# KiCad board PANEL_DRY_ELEC_6CH_THIN.kicad_pcb (continued)
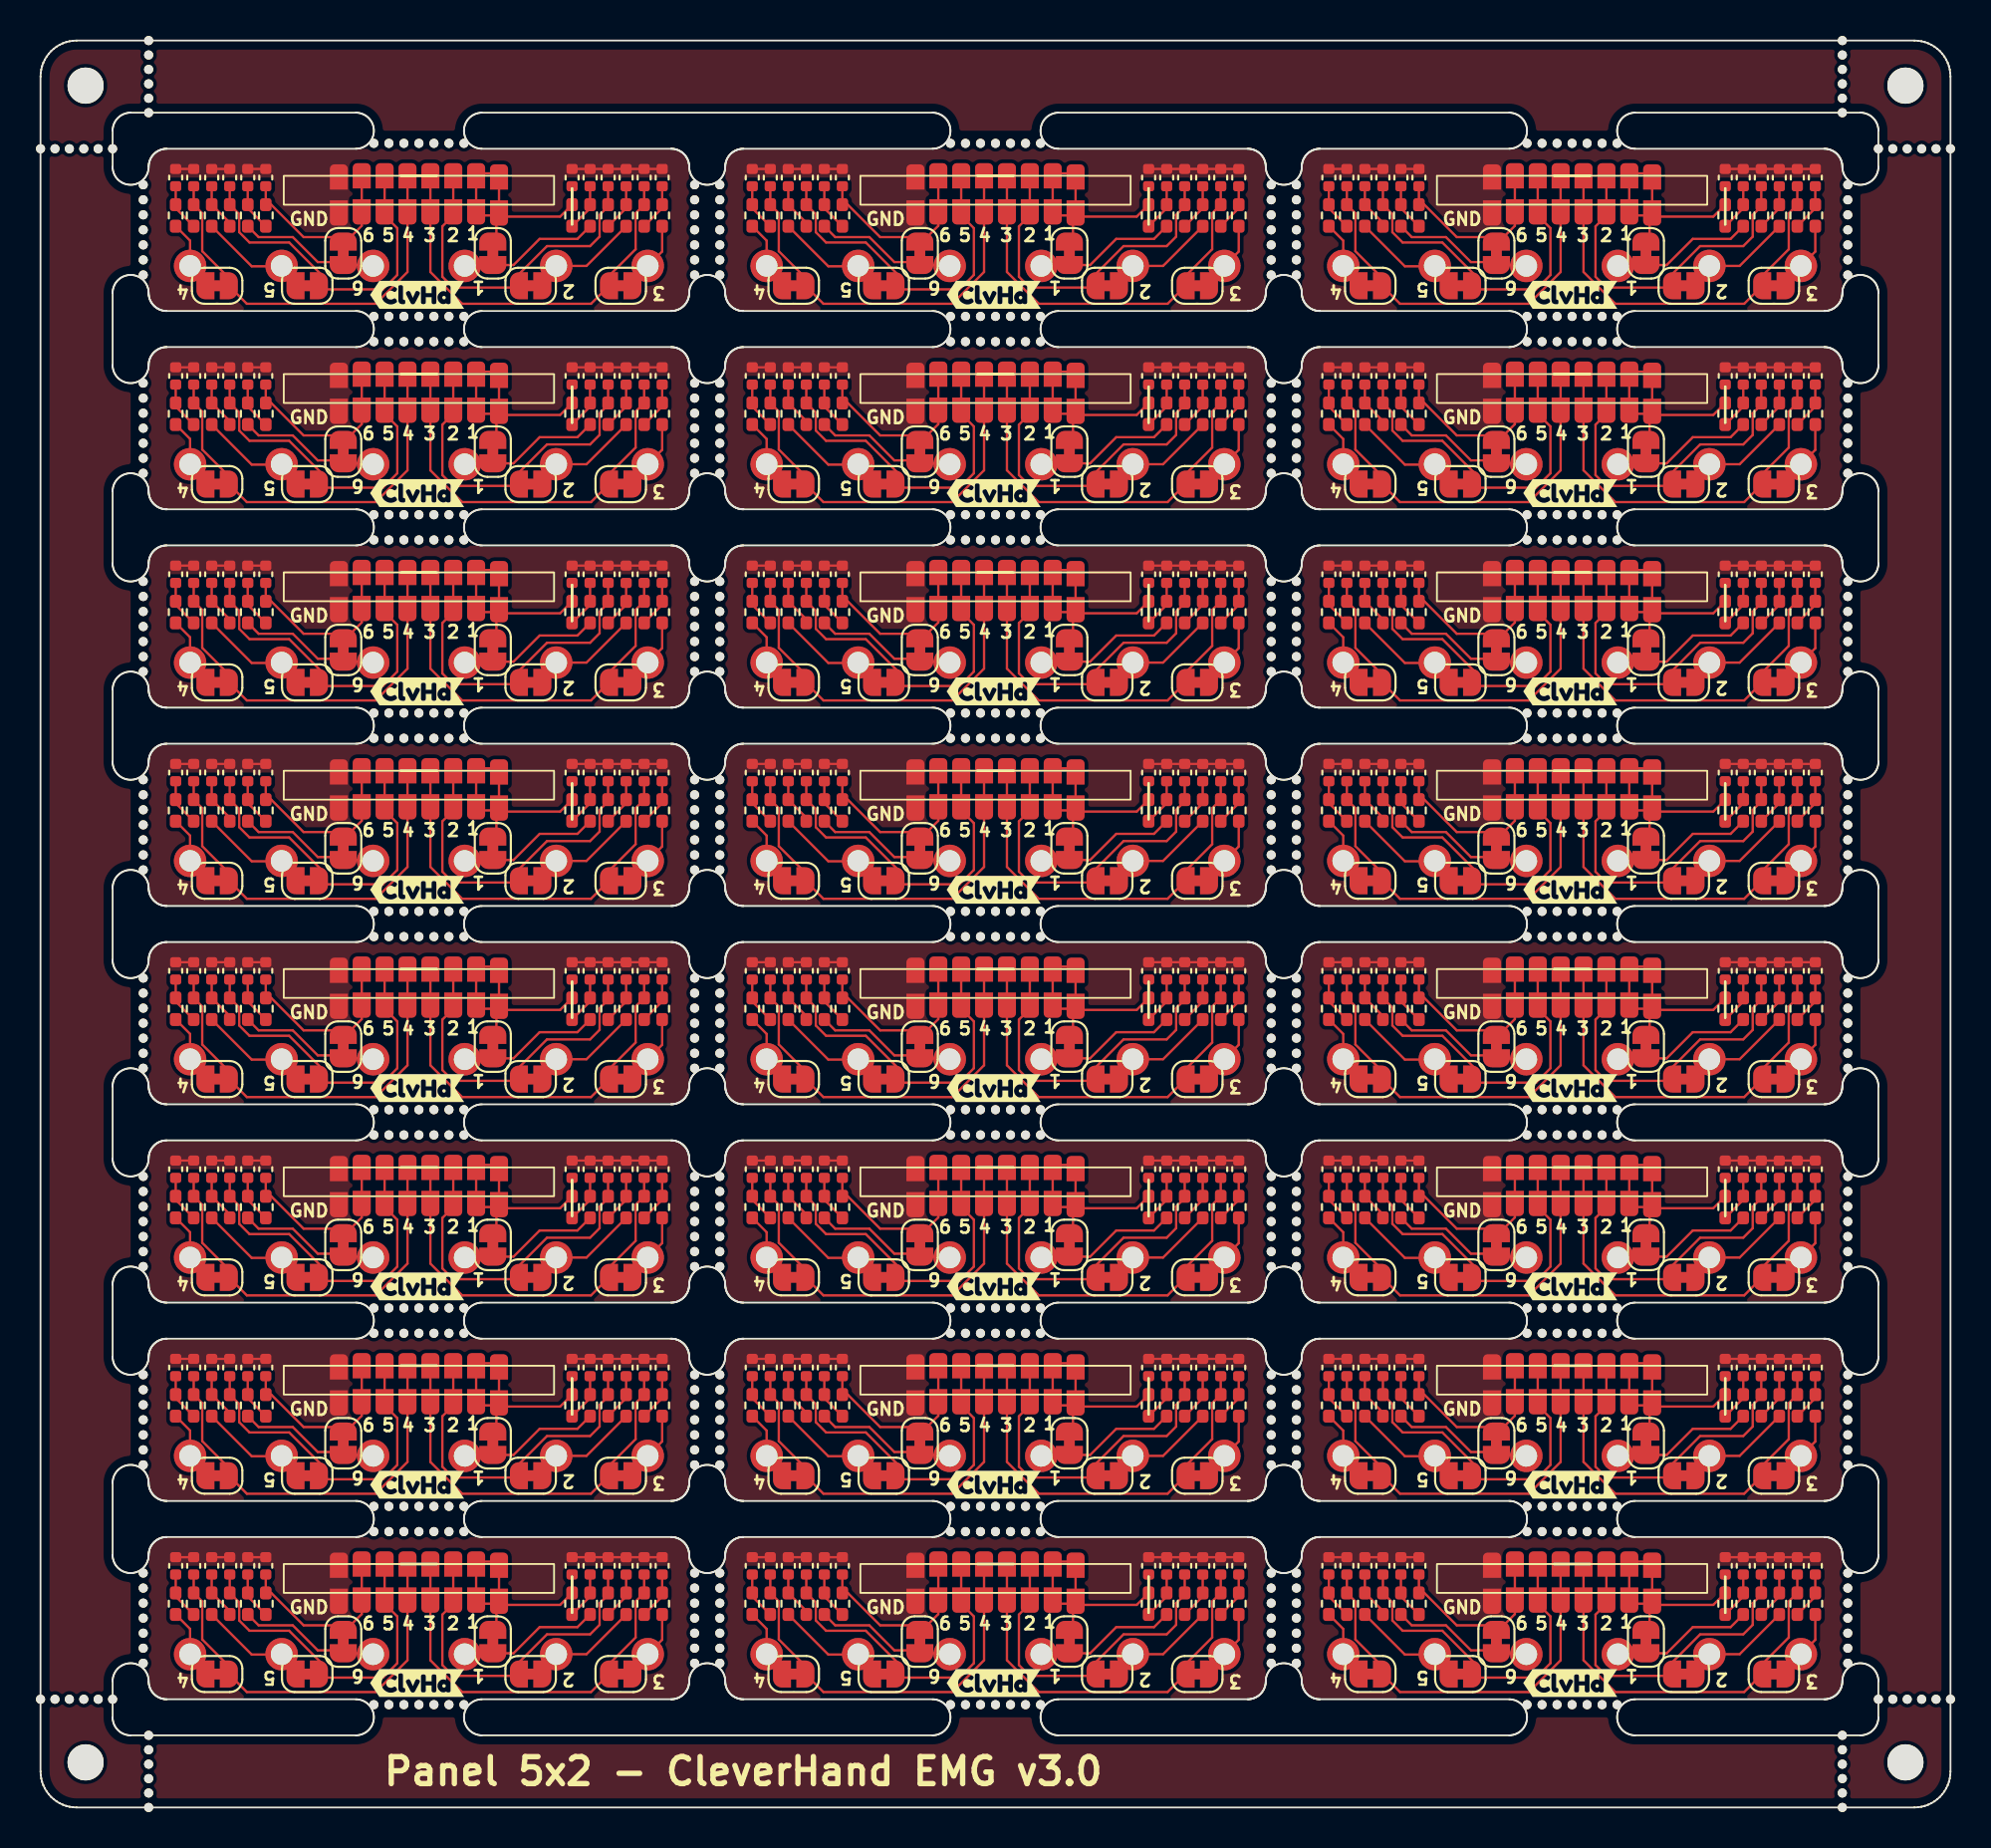
[diagram p0: board, top side]
## Placement (name value [footprint] x y rotation side) (continued)
KiKit_MB_27_7  -  [NPTH]  23.5 70.3 0 top
KiKit_MB_28_1  -  [NPTH]  23.5 60.7 0 top
KiKit_MB_28_2  -  [NPTH]  22.67 60.7 0 top
KiKit_MB_28_3  -  [NPTH]  21.83 60.7 0 top
KiKit_MB_28_4  -  [NPTH]  21 60.7 0 top
KiKit_MB_28_5  -  [NPTH]  20.17 60.7 0 top
KiKit_MB_28_6  -  [NPTH]  19.33 60.7 0 top
KiKit_MB_28_7  -  [NPTH]  18.5 60.7 0 top
KiKit_MB_29_1  -  [NPTH]  37.7 63 0 top
KiKit_MB_29_2  -  [NPTH]  37.7 63.83 0 top
KiKit_MB_29_3  -  [NPTH]  37.7 64.67 0 top
KiKit_MB_29_4  -  [NPTH]  37.7 65.5 0 top
KiKit_MB_29_5  -  [NPTH]  37.7 66.33 0 top
KiKit_MB_29_6  -  [NPTH]  37.7 67.17 0 top
KiKit_MB_29_7  -  [NPTH]  37.7 68 0 top
KiKit_MB_30_1  -  [NPTH]  68.3 68 0 top
KiKit_MB_30_2  -  [NPTH]  68.3 67.17 0 top
KiKit_MB_30_3  -  [NPTH]  68.3 66.33 0 top
KiKit_MB_30_4  -  [NPTH]  68.3 65.5 0 top
KiKit_MB_30_5  -  [NPTH]  68.3 64.67 0 top
KiKit_MB_30_6  -  [NPTH]  68.3 63.83 0 top
KiKit_MB_30_7  -  [NPTH]  68.3 63 0 top
KiKit_MB_31_1  -  [NPTH]  50.5 70.3 0 top
KiKit_MB_31_2  -  [NPTH]  51.33 70.3 0 top
KiKit_MB_31_3  -  [NPTH]  52.17 70.3 0 top
KiKit_MB_31_4  -  [NPTH]  53 70.3 0 top
KiKit_MB_31_5  -  [NPTH]  53.83 70.3 0 top
KiKit_MB_31_6  -  [NPTH]  54.67 70.3 0 top
KiKit_MB_31_7  -  [NPTH]  55.5 70.3 0 top
KiKit_MB_32_1  -  [NPTH]  55.5 60.7 0 top
KiKit_MB_32_2  -  [NPTH]  54.67 60.7 0 top
KiKit_MB_32_3  -  [NPTH]  53.83 60.7 0 top
KiKit_MB_32_4  -  [NPTH]  53 60.7 0 top
KiKit_MB_32_5  -  [NPTH]  52.17 60.7 0 top
KiKit_MB_32_6  -  [NPTH]  51.33 60.7 0 top
KiKit_MB_32_7  -  [NPTH]  50.5 60.7 0 top
KiKit_MB_33_1  -  [NPTH]  69.7 63 0 top
KiKit_MB_33_2  -  [NPTH]  69.7 63.83 0 top
KiKit_MB_33_3  -  [NPTH]  69.7 64.67 0 top
KiKit_MB_33_4  -  [NPTH]  69.7 65.5 0 top
KiKit_MB_33_5  -  [NPTH]  69.7 66.33 0 top
KiKit_MB_33_6  -  [NPTH]  69.7 67.17 0 top
KiKit_MB_33_7  -  [NPTH]  69.7 68 0 top
KiKit_MB_34_1  -  [NPTH]  100.3 68 0 top
KiKit_MB_34_2  -  [NPTH]  100.3 67.17 0 top
KiKit_MB_34_3  -  [NPTH]  100.3 66.33 0 top
KiKit_MB_34_4  -  [NPTH]  100.3 65.5 0 top
KiKit_MB_34_5  -  [NPTH]  100.3 64.67 0 top
KiKit_MB_34_6  -  [NPTH]  100.3 63.83 0 top
KiKit_MB_34_7  -  [NPTH]  100.3 63 0 top
KiKit_MB_35_1  -  [NPTH]  82.5 70.3 0 top
KiKit_MB_35_2  -  [NPTH]  83.33 70.3 0 top
KiKit_MB_35_3  -  [NPTH]  84.17 70.3 0 top
KiKit_MB_35_4  -  [NPTH]  85 70.3 0 top
KiKit_MB_35_5  -  [NPTH]  85.83 70.3 0 top
KiKit_MB_35_6  -  [NPTH]  86.67 70.3 0 top
KiKit_MB_35_7  -  [NPTH]  87.5 70.3 0 top
KiKit_MB_36_1  -  [NPTH]  87.5 60.7 0 top
KiKit_MB_36_2  -  [NPTH]  86.67 60.7 0 top
KiKit_MB_36_3  -  [NPTH]  85.83 60.7 0 top
KiKit_MB_36_4  -  [NPTH]  85 60.7 0 top
KiKit_MB_36_5  -  [NPTH]  84.17 60.7 0 top
KiKit_MB_36_6  -  [NPTH]  83.33 60.7 0 top
KiKit_MB_36_7  -  [NPTH]  82.5 60.7 0 top
KiKit_MB_37_1  -  [NPTH]  5.7 52 0 top
KiKit_MB_37_2  -  [NPTH]  5.7 52.83 0 top
KiKit_MB_37_3  -  [NPTH]  5.7 53.67 0 top
KiKit_MB_37_4  -  [NPTH]  5.7 54.5 0 top
KiKit_MB_37_5  -  [NPTH]  5.7 55.33 0 top
KiKit_MB_37_6  -  [NPTH]  5.7 56.17 0 top
KiKit_MB_37_7  -  [NPTH]  5.7 57 0 top
KiKit_MB_38_1  -  [NPTH]  36.3 57 0 top
KiKit_MB_38_2  -  [NPTH]  36.3 56.17 0 top
KiKit_MB_38_3  -  [NPTH]  36.3 55.33 0 top
KiKit_MB_38_4  -  [NPTH]  36.3 54.5 0 top
KiKit_MB_38_5  -  [NPTH]  36.3 53.67 0 top
KiKit_MB_38_6  -  [NPTH]  36.3 52.83 0 top
KiKit_MB_38_7  -  [NPTH]  36.3 52 0 top
KiKit_MB_39_1  -  [NPTH]  18.5 59.3 0 top
KiKit_MB_39_2  -  [NPTH]  19.33 59.3 0 top
KiKit_MB_39_3  -  [NPTH]  20.17 59.3 0 top
KiKit_MB_39_4  -  [NPTH]  21 59.3 0 top
KiKit_MB_39_5  -  [NPTH]  21.83 59.3 0 top
KiKit_MB_39_6  -  [NPTH]  22.67 59.3 0 top
KiKit_MB_39_7  -  [NPTH]  23.5 59.3 0 top
KiKit_MB_40_1  -  [NPTH]  23.5 49.7 0 top
KiKit_MB_40_2  -  [NPTH]  22.67 49.7 0 top
KiKit_MB_40_3  -  [NPTH]  21.83 49.7 0 top
KiKit_MB_40_4  -  [NPTH]  21 49.7 0 top
KiKit_MB_40_5  -  [NPTH]  20.17 49.7 0 top
KiKit_MB_40_6  -  [NPTH]  19.33 49.7 0 top
KiKit_MB_40_7  -  [NPTH]  18.5 49.7 0 top
KiKit_MB_41_1  -  [NPTH]  37.7 52 0 top
KiKit_MB_41_2  -  [NPTH]  37.7 52.83 0 top
KiKit_MB_41_3  -  [NPTH]  37.7 53.67 0 top
KiKit_MB_41_4  -  [NPTH]  37.7 54.5 0 top
KiKit_MB_41_5  -  [NPTH]  37.7 55.33 0 top
KiKit_MB_41_6  -  [NPTH]  37.7 56.17 0 top
KiKit_MB_41_7  -  [NPTH]  37.7 57 0 top
KiKit_MB_42_1  -  [NPTH]  68.3 57 0 top
KiKit_MB_42_2  -  [NPTH]  68.3 56.17 0 top
KiKit_MB_42_3  -  [NPTH]  68.3 55.33 0 top
KiKit_MB_42_4  -  [NPTH]  68.3 54.5 0 top
KiKit_MB_42_5  -  [NPTH]  68.3 53.67 0 top
KiKit_MB_42_6  -  [NPTH]  68.3 52.83 0 top
KiKit_MB_42_7  -  [NPTH]  68.3 52 0 top
KiKit_MB_43_1  -  [NPTH]  50.5 59.3 0 top
KiKit_MB_43_2  -  [NPTH]  51.33 59.3 0 top
KiKit_MB_43_3  -  [NPTH]  52.17 59.3 0 top
KiKit_MB_43_4  -  [NPTH]  53 59.3 0 top
KiKit_MB_43_5  -  [NPTH]  53.83 59.3 0 top
KiKit_MB_43_6  -  [NPTH]  54.67 59.3 0 top
KiKit_MB_43_7  -  [NPTH]  55.5 59.3 0 top
KiKit_MB_44_1  -  [NPTH]  55.5 49.7 0 top
KiKit_MB_44_2  -  [NPTH]  54.67 49.7 0 top
KiKit_MB_44_3  -  [NPTH]  53.83 49.7 0 top
KiKit_MB_44_4  -  [NPTH]  53 49.7 0 top
KiKit_MB_44_5  -  [NPTH]  52.17 49.7 0 top
KiKit_MB_44_6  -  [NPTH]  51.33 49.7 0 top
KiKit_MB_44_7  -  [NPTH]  50.5 49.7 0 top
KiKit_MB_45_1  -  [NPTH]  69.7 52 0 top
KiKit_MB_45_2  -  [NPTH]  69.7 52.83 0 top
KiKit_MB_45_3  -  [NPTH]  69.7 53.67 0 top
KiKit_MB_45_4  -  [NPTH]  69.7 54.5 0 top
KiKit_MB_45_5  -  [NPTH]  69.7 55.33 0 top
KiKit_MB_45_6  -  [NPTH]  69.7 56.17 0 top
KiKit_MB_45_7  -  [NPTH]  69.7 57 0 top
KiKit_MB_46_1  -  [NPTH]  100.3 57 0 top
KiKit_MB_46_2  -  [NPTH]  100.3 56.17 0 top
KiKit_MB_46_3  -  [NPTH]  100.3 55.33 0 top
KiKit_MB_46_4  -  [NPTH]  100.3 54.5 0 top
KiKit_MB_46_5  -  [NPTH]  100.3 53.67 0 top
KiKit_MB_46_6  -  [NPTH]  100.3 52.83 0 top
KiKit_MB_46_7  -  [NPTH]  100.3 52 0 top
KiKit_MB_47_1  -  [NPTH]  82.5 59.3 0 top
KiKit_MB_47_2  -  [NPTH]  83.33 59.3 0 top
KiKit_MB_47_3  -  [NPTH]  84.17 59.3 0 top
KiKit_MB_47_4  -  [NPTH]  85 59.3 0 top
KiKit_MB_47_5  -  [NPTH]  85.83 59.3 0 top
KiKit_MB_47_6  -  [NPTH]  86.67 59.3 0 top
KiKit_MB_47_7  -  [NPTH]  87.5 59.3 0 top
KiKit_MB_48_1  -  [NPTH]  87.5 49.7 0 top
KiKit_MB_48_2  -  [NPTH]  86.67 49.7 0 top
KiKit_MB_48_3  -  [NPTH]  85.83 49.7 0 top
KiKit_MB_48_4  -  [NPTH]  85 49.7 0 top
KiKit_MB_48_5  -  [NPTH]  84.17 49.7 0 top
KiKit_MB_48_6  -  [NPTH]  83.33 49.7 0 top
KiKit_MB_48_7  -  [NPTH]  82.5 49.7 0 top
KiKit_MB_49_1  -  [NPTH]  5.7 41 0 top
KiKit_MB_49_2  -  [NPTH]  5.7 41.83 0 top
KiKit_MB_49_3  -  [NPTH]  5.7 42.67 0 top
KiKit_MB_49_4  -  [NPTH]  5.7 43.5 0 top
KiKit_MB_49_5  -  [NPTH]  5.7 44.33 0 top
KiKit_MB_49_6  -  [NPTH]  5.7 45.17 0 top
KiKit_MB_49_7  -  [NPTH]  5.7 46 0 top
KiKit_MB_50_1  -  [NPTH]  36.3 46 0 top
KiKit_MB_50_2  -  [NPTH]  36.3 45.17 0 top
KiKit_MB_50_3  -  [NPTH]  36.3 44.33 0 top
KiKit_MB_50_4  -  [NPTH]  36.3 43.5 0 top
KiKit_MB_50_5  -  [NPTH]  36.3 42.67 0 top
KiKit_MB_50_6  -  [NPTH]  36.3 41.83 0 top
KiKit_MB_50_7  -  [NPTH]  36.3 41 0 top
KiKit_MB_51_1  -  [NPTH]  18.5 48.3 0 top
KiKit_MB_51_2  -  [NPTH]  19.33 48.3 0 top
KiKit_MB_51_3  -  [NPTH]  20.17 48.3 0 top
KiKit_MB_51_4  -  [NPTH]  21 48.3 0 top
KiKit_MB_51_5  -  [NPTH]  21.83 48.3 0 top
KiKit_MB_51_6  -  [NPTH]  22.67 48.3 0 top
KiKit_MB_51_7  -  [NPTH]  23.5 48.3 0 top
KiKit_MB_52_1  -  [NPTH]  23.5 38.7 0 top
KiKit_MB_52_2  -  [NPTH]  22.67 38.7 0 top
KiKit_MB_52_3  -  [NPTH]  21.83 38.7 0 top
KiKit_MB_52_4  -  [NPTH]  21 38.7 0 top
KiKit_MB_52_5  -  [NPTH]  20.17 38.7 0 top
KiKit_MB_52_6  -  [NPTH]  19.33 38.7 0 top
KiKit_MB_52_7  -  [NPTH]  18.5 38.7 0 top
KiKit_MB_53_1  -  [NPTH]  37.7 41 0 top
KiKit_MB_53_2  -  [NPTH]  37.7 41.83 0 top
KiKit_MB_53_3  -  [NPTH]  37.7 42.67 0 top
KiKit_MB_53_4  -  [NPTH]  37.7 43.5 0 top
KiKit_MB_53_5  -  [NPTH]  37.7 44.33 0 top
KiKit_MB_53_6  -  [NPTH]  37.7 45.17 0 top
KiKit_MB_53_7  -  [NPTH]  37.7 46 0 top
KiKit_MB_54_1  -  [NPTH]  68.3 46 0 top
KiKit_MB_54_2  -  [NPTH]  68.3 45.17 0 top
KiKit_MB_54_3  -  [NPTH]  68.3 44.33 0 top
KiKit_MB_54_4  -  [NPTH]  68.3 43.5 0 top
KiKit_MB_54_5  -  [NPTH]  68.3 42.67 0 top
KiKit_MB_54_6  -  [NPTH]  68.3 41.83 0 top
KiKit_MB_54_7  -  [NPTH]  68.3 41 0 top
KiKit_MB_55_1  -  [NPTH]  50.5 48.3 0 top
KiKit_MB_55_2  -  [NPTH]  51.33 48.3 0 top
KiKit_MB_55_3  -  [NPTH]  52.17 48.3 0 top
KiKit_MB_55_4  -  [NPTH]  53 48.3 0 top
KiKit_MB_55_5  -  [NPTH]  53.83 48.3 0 top
KiKit_MB_55_6  -  [NPTH]  54.67 48.3 0 top
KiKit_MB_55_7  -  [NPTH]  55.5 48.3 0 top
KiKit_MB_56_1  -  [NPTH]  55.5 38.7 0 top
KiKit_MB_56_2  -  [NPTH]  54.67 38.7 0 top
KiKit_MB_56_3  -  [NPTH]  53.83 38.7 0 top
KiKit_MB_56_4  -  [NPTH]  53 38.7 0 top
KiKit_MB_56_5  -  [NPTH]  52.17 38.7 0 top
KiKit_MB_56_6  -  [NPTH]  51.33 38.7 0 top
KiKit_MB_56_7  -  [NPTH]  50.5 38.7 0 top
KiKit_MB_57_1  -  [NPTH]  69.7 41 0 top
KiKit_MB_57_2  -  [NPTH]  69.7 41.83 0 top
KiKit_MB_57_3  -  [NPTH]  69.7 42.67 0 top
KiKit_MB_57_4  -  [NPTH]  69.7 43.5 0 top
KiKit_MB_57_5  -  [NPTH]  69.7 44.33 0 top
KiKit_MB_57_6  -  [NPTH]  69.7 45.17 0 top
KiKit_MB_57_7  -  [NPTH]  69.7 46 0 top
KiKit_MB_58_1  -  [NPTH]  100.3 46 0 top
KiKit_MB_58_2  -  [NPTH]  100.3 45.17 0 top
KiKit_MB_58_3  -  [NPTH]  100.3 44.33 0 top
KiKit_MB_58_4  -  [NPTH]  100.3 43.5 0 top
KiKit_MB_58_5  -  [NPTH]  100.3 42.67 0 top
KiKit_MB_58_6  -  [NPTH]  100.3 41.83 0 top
KiKit_MB_58_7  -  [NPTH]  100.3 41 0 top
KiKit_MB_59_1  -  [NPTH]  82.5 48.3 0 top
KiKit_MB_59_2  -  [NPTH]  83.33 48.3 0 top
KiKit_MB_59_3  -  [NPTH]  84.17 48.3 0 top
KiKit_MB_59_4  -  [NPTH]  85 48.3 0 top
KiKit_MB_59_5  -  [NPTH]  85.83 48.3 0 top
KiKit_MB_59_6  -  [NPTH]  86.67 48.3 0 top
KiKit_MB_59_7  -  [NPTH]  87.5 48.3 0 top
KiKit_MB_60_1  -  [NPTH]  87.5 38.7 0 top
KiKit_MB_60_2  -  [NPTH]  86.67 38.7 0 top
KiKit_MB_60_3  -  [NPTH]  85.83 38.7 0 top
KiKit_MB_60_4  -  [NPTH]  85 38.7 0 top
KiKit_MB_60_5  -  [NPTH]  84.17 38.7 0 top
KiKit_MB_60_6  -  [NPTH]  83.33 38.7 0 top
KiKit_MB_60_7  -  [NPTH]  82.5 38.7 0 top
KiKit_MB_61_1  -  [NPTH]  5.7 30 0 top
KiKit_MB_61_2  -  [NPTH]  5.7 30.83 0 top
KiKit_MB_61_3  -  [NPTH]  5.7 31.67 0 top
KiKit_MB_61_4  -  [NPTH]  5.7 32.5 0 top
KiKit_MB_61_5  -  [NPTH]  5.7 33.33 0 top
KiKit_MB_61_6  -  [NPTH]  5.7 34.17 0 top
KiKit_MB_61_7  -  [NPTH]  5.7 35 0 top
KiKit_MB_62_1  -  [NPTH]  36.3 35 0 top
KiKit_MB_62_2  -  [NPTH]  36.3 34.17 0 top
KiKit_MB_62_3  -  [NPTH]  36.3 33.33 0 top
KiKit_MB_62_4  -  [NPTH]  36.3 32.5 0 top
KiKit_MB_62_5  -  [NPTH]  36.3 31.67 0 top
KiKit_MB_62_6  -  [NPTH]  36.3 30.83 0 top
KiKit_MB_62_7  -  [NPTH]  36.3 30 0 top
KiKit_MB_63_1  -  [NPTH]  18.5 37.3 0 top
KiKit_MB_63_2  -  [NPTH]  19.33 37.3 0 top
KiKit_MB_63_3  -  [NPTH]  20.17 37.3 0 top
KiKit_MB_63_4  -  [NPTH]  21 37.3 0 top
KiKit_MB_63_5  -  [NPTH]  21.83 37.3 0 top
KiKit_MB_63_6  -  [NPTH]  22.67 37.3 0 top
KiKit_MB_63_7  -  [NPTH]  23.5 37.3 0 top
KiKit_MB_64_1  -  [NPTH]  23.5 27.7 0 top
KiKit_MB_64_2  -  [NPTH]  22.67 27.7 0 top
KiKit_MB_64_3  -  [NPTH]  21.83 27.7 0 top
KiKit_MB_64_4  -  [NPTH]  21 27.7 0 top
KiKit_MB_64_5  -  [NPTH]  20.17 27.7 0 top
KiKit_MB_64_6  -  [NPTH]  19.33 27.7 0 top
KiKit_MB_64_7  -  [NPTH]  18.5 27.7 0 top
KiKit_MB_65_1  -  [NPTH]  37.7 30 0 top
KiKit_MB_65_2  -  [NPTH]  37.7 30.83 0 top
KiKit_MB_65_3  -  [NPTH]  37.7 31.67 0 top
KiKit_MB_65_4  -  [NPTH]  37.7 32.5 0 top
KiKit_MB_65_5  -  [NPTH]  37.7 33.33 0 top
KiKit_MB_65_6  -  [NPTH]  37.7 34.17 0 top
KiKit_MB_65_7  -  [NPTH]  37.7 35 0 top
KiKit_MB_66_1  -  [NPTH]  68.3 35 0 top
KiKit_MB_66_2  -  [NPTH]  68.3 34.17 0 top
KiKit_MB_66_3  -  [NPTH]  68.3 33.33 0 top
KiKit_MB_66_4  -  [NPTH]  68.3 32.5 0 top
KiKit_MB_66_5  -  [NPTH]  68.3 31.67 0 top
KiKit_MB_66_6  -  [NPTH]  68.3 30.83 0 top
KiKit_MB_66_7  -  [NPTH]  68.3 30 0 top
KiKit_MB_67_1  -  [NPTH]  50.5 37.3 0 top
KiKit_MB_67_2  -  [NPTH]  51.33 37.3 0 top
KiKit_MB_67_3  -  [NPTH]  52.17 37.3 0 top
KiKit_MB_67_4  -  [NPTH]  53 37.3 0 top
KiKit_MB_67_5  -  [NPTH]  53.83 37.3 0 top
KiKit_MB_67_6  -  [NPTH]  54.67 37.3 0 top
KiKit_MB_67_7  -  [NPTH]  55.5 37.3 0 top
KiKit_MB_68_1  -  [NPTH]  55.5 27.7 0 top
KiKit_MB_68_2  -  [NPTH]  54.67 27.7 0 top
KiKit_MB_68_3  -  [NPTH]  53.83 27.7 0 top
KiKit_MB_68_4  -  [NPTH]  53 27.7 0 top
KiKit_MB_68_5  -  [NPTH]  52.17 27.7 0 top
KiKit_MB_68_6  -  [NPTH]  51.33 27.7 0 top
KiKit_MB_68_7  -  [NPTH]  50.5 27.7 0 top
KiKit_MB_69_1  -  [NPTH]  69.7 30 0 top
KiKit_MB_69_2  -  [NPTH]  69.7 30.83 0 top
KiKit_MB_69_3  -  [NPTH]  69.7 31.67 0 top
KiKit_MB_69_4  -  [NPTH]  69.7 32.5 0 top
KiKit_MB_69_5  -  [NPTH]  69.7 33.33 0 top
KiKit_MB_69_6  -  [NPTH]  69.7 34.17 0 top
KiKit_MB_69_7  -  [NPTH]  69.7 35 0 top
KiKit_MB_70_1  -  [NPTH]  100.3 35 0 top
KiKit_MB_70_2  -  [NPTH]  100.3 34.17 0 top
KiKit_MB_70_3  -  [NPTH]  100.3 33.33 0 top
KiKit_MB_70_4  -  [NPTH]  100.3 32.5 0 top
KiKit_MB_70_5  -  [NPTH]  100.3 31.67 0 top
KiKit_MB_70_6  -  [NPTH]  100.3 30.83 0 top
KiKit_MB_70_7  -  [NPTH]  100.3 30 0 top
KiKit_MB_71_1  -  [NPTH]  82.5 37.3 0 top
KiKit_MB_71_2  -  [NPTH]  83.33 37.3 0 top
KiKit_MB_71_3  -  [NPTH]  84.17 37.3 0 top
KiKit_MB_71_4  -  [NPTH]  85 37.3 0 top
KiKit_MB_71_5  -  [NPTH]  85.83 37.3 0 top
KiKit_MB_71_6  -  [NPTH]  86.67 37.3 0 top
KiKit_MB_71_7  -  [NPTH]  87.5 37.3 0 top
KiKit_MB_72_1  -  [NPTH]  87.5 27.7 0 top
KiKit_MB_72_2  -  [NPTH]  86.67 27.7 0 top
KiKit_MB_72_3  -  [NPTH]  85.83 27.7 0 top
KiKit_MB_72_4  -  [NPTH]  85 27.7 0 top
KiKit_MB_72_5  -  [NPTH]  84.17 27.7 0 top
KiKit_MB_72_6  -  [NPTH]  83.33 27.7 0 top
KiKit_MB_72_7  -  [NPTH]  82.5 27.7 0 top
KiKit_MB_73_1  -  [NPTH]  5.7 19 0 top
KiKit_MB_73_2  -  [NPTH]  5.7 19.83 0 top
KiKit_MB_73_3  -  [NPTH]  5.7 20.67 0 top
KiKit_MB_73_4  -  [NPTH]  5.7 21.5 0 top
KiKit_MB_73_5  -  [NPTH]  5.7 22.33 0 top
KiKit_MB_73_6  -  [NPTH]  5.7 23.17 0 top
KiKit_MB_73_7  -  [NPTH]  5.7 24 0 top
KiKit_MB_74_1  -  [NPTH]  36.3 24 0 top
KiKit_MB_74_2  -  [NPTH]  36.3 23.17 0 top
KiKit_MB_74_3  -  [NPTH]  36.3 22.33 0 top
KiKit_MB_74_4  -  [NPTH]  36.3 21.5 0 top
KiKit_MB_74_5  -  [NPTH]  36.3 20.67 0 top
KiKit_MB_74_6  -  [NPTH]  36.3 19.83 0 top
KiKit_MB_74_7  -  [NPTH]  36.3 19 0 top
KiKit_MB_75_1  -  [NPTH]  18.5 26.3 0 top
KiKit_MB_75_2  -  [NPTH]  19.33 26.3 0 top
KiKit_MB_75_3  -  [NPTH]  20.17 26.3 0 top
KiKit_MB_75_4  -  [NPTH]  21 26.3 0 top
KiKit_MB_75_5  -  [NPTH]  21.83 26.3 0 top
KiKit_MB_75_6  -  [NPTH]  22.67 26.3 0 top
KiKit_MB_75_7  -  [NPTH]  23.5 26.3 0 top
KiKit_MB_76_1  -  [NPTH]  23.5 16.7 0 top
KiKit_MB_76_2  -  [NPTH]  22.67 16.7 0 top
KiKit_MB_76_3  -  [NPTH]  21.83 16.7 0 top
KiKit_MB_76_4  -  [NPTH]  21 16.7 0 top
KiKit_MB_76_5  -  [NPTH]  20.17 16.7 0 top
KiKit_MB_76_6  -  [NPTH]  19.33 16.7 0 top
KiKit_MB_76_7  -  [NPTH]  18.5 16.7 0 top
KiKit_MB_77_1  -  [NPTH]  37.7 19 0 top
KiKit_MB_77_2  -  [NPTH]  37.7 19.83 0 top
KiKit_MB_77_3  -  [NPTH]  37.7 20.67 0 top
KiKit_MB_77_4  -  [NPTH]  37.7 21.5 0 top
KiKit_MB_77_5  -  [NPTH]  37.7 22.33 0 top
KiKit_MB_77_6  -  [NPTH]  37.7 23.17 0 top
KiKit_MB_77_7  -  [NPTH]  37.7 24 0 top
KiKit_MB_78_1  -  [NPTH]  68.3 24 0 top
KiKit_MB_78_2  -  [NPTH]  68.3 23.17 0 top
KiKit_MB_78_3  -  [NPTH]  68.3 22.33 0 top
KiKit_MB_78_4  -  [NPTH]  68.3 21.5 0 top
KiKit_MB_78_5  -  [NPTH]  68.3 20.67 0 top
KiKit_MB_78_6  -  [NPTH]  68.3 19.83 0 top
KiKit_MB_78_7  -  [NPTH]  68.3 19 0 top
KiKit_MB_79_1  -  [NPTH]  50.5 26.3 0 top
KiKit_MB_79_2  -  [NPTH]  51.33 26.3 0 top
KiKit_MB_79_3  -  [NPTH]  52.17 26.3 0 top
KiKit_MB_79_4  -  [NPTH]  53 26.3 0 top
KiKit_MB_79_5  -  [NPTH]  53.83 26.3 0 top
KiKit_MB_79_6  -  [NPTH]  54.67 26.3 0 top
KiKit_MB_79_7  -  [NPTH]  55.5 26.3 0 top
KiKit_MB_80_1  -  [NPTH]  55.5 16.7 0 top
KiKit_MB_80_2  -  [NPTH]  54.67 16.7 0 top
KiKit_MB_80_3  -  [NPTH]  53.83 16.7 0 top
KiKit_MB_80_4  -  [NPTH]  53 16.7 0 top
KiKit_MB_80_5  -  [NPTH]  52.17 16.7 0 top
KiKit_MB_80_6  -  [NPTH]  51.33 16.7 0 top
KiKit_MB_80_7  -  [NPTH]  50.5 16.7 0 top
KiKit_MB_81_1  -  [NPTH]  69.7 19 0 top
KiKit_MB_81_2  -  [NPTH]  69.7 19.83 0 top
KiKit_MB_81_3  -  [NPTH]  69.7 20.67 0 top
KiKit_MB_81_4  -  [NPTH]  69.7 21.5 0 top
KiKit_MB_81_5  -  [NPTH]  69.7 22.33 0 top
KiKit_MB_81_6  -  [NPTH]  69.7 23.17 0 top
KiKit_MB_81_7  -  [NPTH]  69.7 24 0 top
KiKit_MB_82_1  -  [NPTH]  100.3 24 0 top
KiKit_MB_82_2  -  [NPTH]  100.3 23.17 0 top
KiKit_MB_82_3  -  [NPTH]  100.3 22.33 0 top
KiKit_MB_82_4  -  [NPTH]  100.3 21.5 0 top
KiKit_MB_82_5  -  [NPTH]  100.3 20.67 0 top
KiKit_MB_82_6  -  [NPTH]  100.3 19.83 0 top
KiKit_MB_82_7  -  [NPTH]  100.3 19 0 top
KiKit_MB_83_1  -  [NPTH]  82.5 26.3 0 top
KiKit_MB_83_2  -  [NPTH]  83.33 26.3 0 top
KiKit_MB_83_3  -  [NPTH]  84.17 26.3 0 top
KiKit_MB_83_4  -  [NPTH]  85 26.3 0 top
KiKit_MB_83_5  -  [NPTH]  85.83 26.3 0 top
KiKit_MB_83_6  -  [NPTH]  86.67 26.3 0 top
KiKit_MB_83_7  -  [NPTH]  87.5 26.3 0 top
KiKit_MB_84_1  -  [NPTH]  87.5 16.7 0 top
KiKit_MB_84_2  -  [NPTH]  86.67 16.7 0 top
KiKit_MB_84_3  -  [NPTH]  85.83 16.7 0 top
KiKit_MB_84_4  -  [NPTH]  85 16.7 0 top
KiKit_MB_84_5  -  [NPTH]  84.17 16.7 0 top
KiKit_MB_84_6  -  [NPTH]  83.33 16.7 0 top
KiKit_MB_84_7  -  [NPTH]  82.5 16.7 0 top
KiKit_MB_85_1  -  [NPTH]  5.7 8 0 top
KiKit_MB_85_2  -  [NPTH]  5.7 8.83 0 top
KiKit_MB_85_3  -  [NPTH]  5.7 9.67 0 top
KiKit_MB_85_4  -  [NPTH]  5.7 10.5 0 top
KiKit_MB_85_5  -  [NPTH]  5.7 11.33 0 top
KiKit_MB_85_6  -  [NPTH]  5.7 12.17 0 top
KiKit_MB_85_7  -  [NPTH]  5.7 13 0 top
KiKit_MB_86_1  -  [NPTH]  36.3 13 0 top
KiKit_MB_86_2  -  [NPTH]  36.3 12.17 0 top
KiKit_MB_86_3  -  [NPTH]  36.3 11.33 0 top
KiKit_MB_86_4  -  [NPTH]  36.3 10.5 0 top
KiKit_MB_86_5  -  [NPTH]  36.3 9.67 0 top
KiKit_MB_86_6  -  [NPTH]  36.3 8.83 0 top
KiKit_MB_86_7  -  [NPTH]  36.3 8 0 top
KiKit_MB_87_1  -  [NPTH]  18.5 15.3 0 top
KiKit_MB_87_2  -  [NPTH]  19.33 15.3 0 top
KiKit_MB_87_3  -  [NPTH]  20.17 15.3 0 top
KiKit_MB_87_4  -  [NPTH]  21 15.3 0 top
KiKit_MB_87_5  -  [NPTH]  21.83 15.3 0 top
KiKit_MB_87_6  -  [NPTH]  22.67 15.3 0 top
KiKit_MB_87_7  -  [NPTH]  23.5 15.3 0 top
KiKit_MB_88_1  -  [NPTH]  23.5 5.7 0 top
KiKit_MB_88_2  -  [NPTH]  22.67 5.7 0 top
KiKit_MB_88_3  -  [NPTH]  21.83 5.7 0 top
KiKit_MB_88_4  -  [NPTH]  21 5.7 0 top
KiKit_MB_88_5  -  [NPTH]  20.17 5.7 0 top
KiKit_MB_88_6  -  [NPTH]  19.33 5.7 0 top
KiKit_MB_88_7  -  [NPTH]  18.5 5.7 0 top
KiKit_MB_89_1  -  [NPTH]  37.7 8 0 top
KiKit_MB_89_2  -  [NPTH]  37.7 8.83 0 top
KiKit_MB_89_3  -  [NPTH]  37.7 9.67 0 top
KiKit_MB_89_4  -  [NPTH]  37.7 10.5 0 top
KiKit_MB_89_5  -  [NPTH]  37.7 11.33 0 top
KiKit_MB_89_6  -  [NPTH]  37.7 12.17 0 top
KiKit_MB_89_7  -  [NPTH]  37.7 13 0 top
KiKit_MB_90_1  -  [NPTH]  68.3 13 0 top
KiKit_MB_90_2  -  [NPTH]  68.3 12.17 0 top
KiKit_MB_90_3  -  [NPTH]  68.3 11.33 0 top
KiKit_MB_90_4  -  [NPTH]  68.3 10.5 0 top
KiKit_MB_90_5  -  [NPTH]  68.3 9.67 0 top
KiKit_MB_90_6  -  [NPTH]  68.3 8.83 0 top
KiKit_MB_90_7  -  [NPTH]  68.3 8 0 top
KiKit_MB_91_1  -  [NPTH]  50.5 15.3 0 top
KiKit_MB_91_2  -  [NPTH]  51.33 15.3 0 top
KiKit_MB_91_3  -  [NPTH]  52.17 15.3 0 top
KiKit_MB_91_4  -  [NPTH]  53 15.3 0 top
KiKit_MB_91_5  -  [NPTH]  53.83 15.3 0 top
KiKit_MB_91_6  -  [NPTH]  54.67 15.3 0 top
KiKit_MB_91_7  -  [NPTH]  55.5 15.3 0 top
KiKit_MB_92_1  -  [NPTH]  55.5 5.7 0 top
KiKit_MB_92_2  -  [NPTH]  54.67 5.7 0 top
KiKit_MB_92_3  -  [NPTH]  53.83 5.7 0 top
KiKit_MB_92_4  -  [NPTH]  53 5.7 0 top
KiKit_MB_92_5  -  [NPTH]  52.17 5.7 0 top
KiKit_MB_92_6  -  [NPTH]  51.33 5.7 0 top
KiKit_MB_92_7  -  [NPTH]  50.5 5.7 0 top
KiKit_MB_93_1  -  [NPTH]  69.7 8 0 top
KiKit_MB_93_2  -  [NPTH]  69.7 8.83 0 top
KiKit_MB_93_3  -  [NPTH]  69.7 9.67 0 top
KiKit_MB_93_4  -  [NPTH]  69.7 10.5 0 top
KiKit_MB_93_5  -  [NPTH]  69.7 11.33 0 top
KiKit_MB_93_6  -  [NPTH]  69.7 12.17 0 top
KiKit_MB_93_7  -  [NPTH]  69.7 13 0 top
KiKit_MB_94_1  -  [NPTH]  100.3 13 0 top
KiKit_MB_94_2  -  [NPTH]  100.3 12.17 0 top
KiKit_MB_94_3  -  [NPTH]  100.3 11.33 0 top
KiKit_MB_94_4  -  [NPTH]  100.3 10.5 0 top
KiKit_MB_94_5  -  [NPTH]  100.3 9.67 0 top
KiKit_MB_94_6  -  [NPTH]  100.3 8.83 0 top
KiKit_MB_94_7  -  [NPTH]  100.3 8 0 top
KiKit_MB_95_1  -  [NPTH]  82.5 15.3 0 top
KiKit_MB_95_2  -  [NPTH]  83.33 15.3 0 top
KiKit_MB_95_3  -  [NPTH]  84.17 15.3 0 top
KiKit_MB_95_4  -  [NPTH]  85 15.3 0 top
KiKit_MB_95_5  -  [NPTH]  85.83 15.3 0 top
KiKit_MB_95_6  -  [NPTH]  86.67 15.3 0 top
KiKit_MB_95_7  -  [NPTH]  87.5 15.3 0 top
KiKit_MB_96_1  -  [NPTH]  87.5 5.7 0 top
KiKit_MB_96_2  -  [NPTH]  86.67 5.7 0 top
KiKit_MB_96_3  -  [NPTH]  85.83 5.7 0 top
KiKit_MB_96_4  -  [NPTH]  85 5.7 0 top
KiKit_MB_96_5  -  [NPTH]  84.17 5.7 0 top
KiKit_MB_96_6  -  [NPTH]  83.33 5.7 0 top
KiKit_MB_96_7  -  [NPTH]  82.5 5.7 0 top
KiKit_MB_97_1  -  [NPTH]  6 98 0 top
KiKit_MB_97_2  -  [NPTH]  6 97.2 0 top
KiKit_MB_97_3  -  [NPTH]  6 96.4 0 top
KiKit_MB_97_4  -  [NPTH]  6 95.6 0 top
KiKit_MB_97_5  -  [NPTH]  6 94.8 0 top
KiKit_MB_97_6  -  [NPTH]  6 94 0 top
KiKit_MB_98_1  -  [NPTH]  100 98 0 top
KiKit_MB_98_2  -  [NPTH]  100 97.2 0 top
KiKit_MB_98_3  -  [NPTH]  100 96.4 0 top
KiKit_MB_98_4  -  [NPTH]  100 95.6 0 top
KiKit_MB_98_5  -  [NPTH]  100 94.8 0 top
KiKit_MB_98_6  -  [NPTH]  100 94 0 top
KiKit_MB_99_1  -  [NPTH]  6 4 0 top
KiKit_MB_99_2  -  [NPTH]  6 3.2 0 top
KiKit_MB_99_3  -  [NPTH]  6 2.4 0 top
KiKit_MB_99_4  -  [NPTH]  6 1.6 0 top
KiKit_MB_99_5  -  [NPTH]  6 0.8 0 top
KiKit_MB_99_6  -  [NPTH]  6 0 0 top
KiKit_MB_100_1  -  [NPTH]  100 4 0 top
KiKit_MB_100_2  -  [NPTH]  100 3.2 0 top
KiKit_MB_100_3  -  [NPTH]  100 2.4 0 top
KiKit_MB_100_4  -  [NPTH]  100 1.6 0 top
KiKit_MB_100_5  -  [NPTH]  100 0.8 0 top
KiKit_MB_100_6  -  [NPTH]  100 0 0 top
KiKit_MB_101_1  -  [NPTH]  0 92 0 top
KiKit_MB_101_2  -  [NPTH]  0.8 92 0 top
KiKit_MB_101_3  -  [NPTH]  1.6 92 0 top
KiKit_MB_101_4  -  [NPTH]  2.4 92 0 top
KiKit_MB_101_5  -  [NPTH]  3.2 92 0 top
KiKit_MB_101_6  -  [NPTH]  4 92 0 top
KiKit_MB_102_1  -  [NPTH]  0 6 0 top
KiKit_MB_102_2  -  [NPTH]  0.8 6 0 top
KiKit_MB_102_3  -  [NPTH]  1.6 6 0 top
KiKit_MB_102_4  -  [NPTH]  2.4 6 0 top
KiKit_MB_102_5  -  [NPTH]  3.2 6 0 top
KiKit_MB_102_6  -  [NPTH]  4 6 0 top
KiKit_MB_103_1  -  [NPTH]  102 92 0 top
KiKit_MB_103_2  -  [NPTH]  102.8 92 0 top
KiKit_MB_103_3  -  [NPTH]  103.6 92 0 top
KiKit_MB_103_4  -  [NPTH]  104.4 92 0 top
KiKit_MB_103_5  -  [NPTH]  105.2 92 0 top
KiKit_MB_103_6  -  [NPTH]  106 92 0 top
KiKit_MB_104_1  -  [NPTH]  102 6 0 top
KiKit_MB_104_2  -  [NPTH]  102.8 6 0 top
KiKit_MB_104_3  -  [NPTH]  103.6 6 0 top
KiKit_MB_104_4  -  [NPTH]  104.4 6 0 top
KiKit_MB_104_5  -  [NPTH]  105.2 6 0 top
KiKit_MB_104_6  -  [NPTH]  106 6 0 top
KiKit_TO_1  -  [NPTH#2]  2.5 95.5 0 top
KiKit_TO_2  -  [NPTH#2]  103.5 95.5 0 top
KiKit_TO_3  -  [NPTH#2]  2.5 2.5 0 top
KiKit_TO_4  -  [NPTH#2]  103.5 2.5 0 top
R1  R  [R_0402_1005Metric_Pad0.72x0.64mm_HandSolder]  94.5 88.3 90 top
R1#2  R  [R_0402_1005Metric_Pad0.72x0.64mm_HandSolder]  30.5 11.3 90 top
R1#3  R  [R_0402_1005Metric_Pad0.72x0.64mm_HandSolder]  30.5 77.3 90 top
R1#4  R  [R_0402_1005Metric_Pad0.72x0.64mm_HandSolder]  30.5 33.3 90 top
R1#5  R  [R_0402_1005Metric_Pad0.72x0.64mm_HandSolder]  94.5 44.3 90 top
R1#6  R  [R_0402_1005Metric_Pad0.72x0.64mm_HandSolder]  62.5 44.3 90 top
R1#7  R  [R_0402_1005Metric_Pad0.72x0.64mm_HandSolder]  62.5 66.3 90 top
R1#8  R  [R_0402_1005Metric_Pad0.72x0.64mm_HandSolder]  94.5 66.3 90 top
R1#9  R  [R_0402_1005Metric_Pad0.72x0.64mm_HandSolder]  94.5 77.3 90 top
R1#10  R  [R_0402_1005Metric_Pad0.72x0.64mm_HandSolder]  62.5 77.3 90 top
R1#11  R  [R_0402_1005Metric_Pad0.72x0.64mm_HandSolder]  94.5 11.3 90 top
R1#12  R  [R_0402_1005Metric_Pad0.72x0.64mm_HandSolder]  30.5 88.3 90 top
R1#13  R  [R_0402_1005Metric_Pad0.72x0.64mm_HandSolder]  62.5 55.3 90 top
R1#14  R  [R_0402_1005Metric_Pad0.72x0.64mm_HandSolder]  94.5 22.3 90 top
R1#15  R  [R_0402_1005Metric_Pad0.72x0.64mm_HandSolder]  62.5 33.3 90 top
R1#16  R  [R_0402_1005Metric_Pad0.72x0.64mm_HandSolder]  30.5 55.3 90 top
R1#17  R  [R_0402_1005Metric_Pad0.72x0.64mm_HandSolder]  30.5 44.3 90 top
R1#18  R  [R_0402_1005Metric_Pad0.72x0.64mm_HandSolder]  62.5 22.3 90 top
R1#19  R  [R_0402_1005Metric_Pad0.72x0.64mm_HandSolder]  62.5 11.3 90 top
R1#20  R  [R_0402_1005Metric_Pad0.72x0.64mm_HandSolder]  94.5 55.3 90 top
R1#21  R  [R_0402_1005Metric_Pad0.72x0.64mm_HandSolder]  94.5 33.3 90 top
R1#22  R  [R_0402_1005Metric_Pad0.72x0.64mm_HandSolder]  62.5 88.3 90 top
R1#23  R  [R_0402_1005Metric_Pad0.72x0.64mm_HandSolder]  30.5 22.3 90 top
R1#24  R  [R_0402_1005Metric_Pad0.72x0.64mm_HandSolder]  30.5 66.3 90 top
R2  R  [R_0402_1005Metric_Pad0.72x0.64mm_HandSolder]  61.5 11.3 90 top
R2#2  R  [R_0402_1005Metric_Pad0.72x0.64mm_HandSolder]  61.5 22.3 90 top
R2#3  R  [R_0402_1005Metric_Pad0.72x0.64mm_HandSolder]  29.5 66.3 90 top
R2#4  R  [R_0402_1005Metric_Pad0.72x0.64mm_HandSolder]  93.5 88.3 90 top
R2#5  R  [R_0402_1005Metric_Pad0.72x0.64mm_HandSolder]  29.5 33.3 90 top
R2#6  R  [R_0402_1005Metric_Pad0.72x0.64mm_HandSolder]  93.5 11.3 90 top
R2#7  R  [R_0402_1005Metric_Pad0.72x0.64mm_HandSolder]  29.5 77.3 90 top
R2#8  R  [R_0402_1005Metric_Pad0.72x0.64mm_HandSolder]  93.5 44.3 90 top
R2#9  R  [R_0402_1005Metric_Pad0.72x0.64mm_HandSolder]  93.5 55.3 90 top
R2#10  R  [R_0402_1005Metric_Pad0.72x0.64mm_HandSolder]  61.5 33.3 90 top
R2#11  R  [R_0402_1005Metric_Pad0.72x0.64mm_HandSolder]  61.5 44.3 90 top
